# KiCad board ulx4m_panel.kicad_pcb (continued)
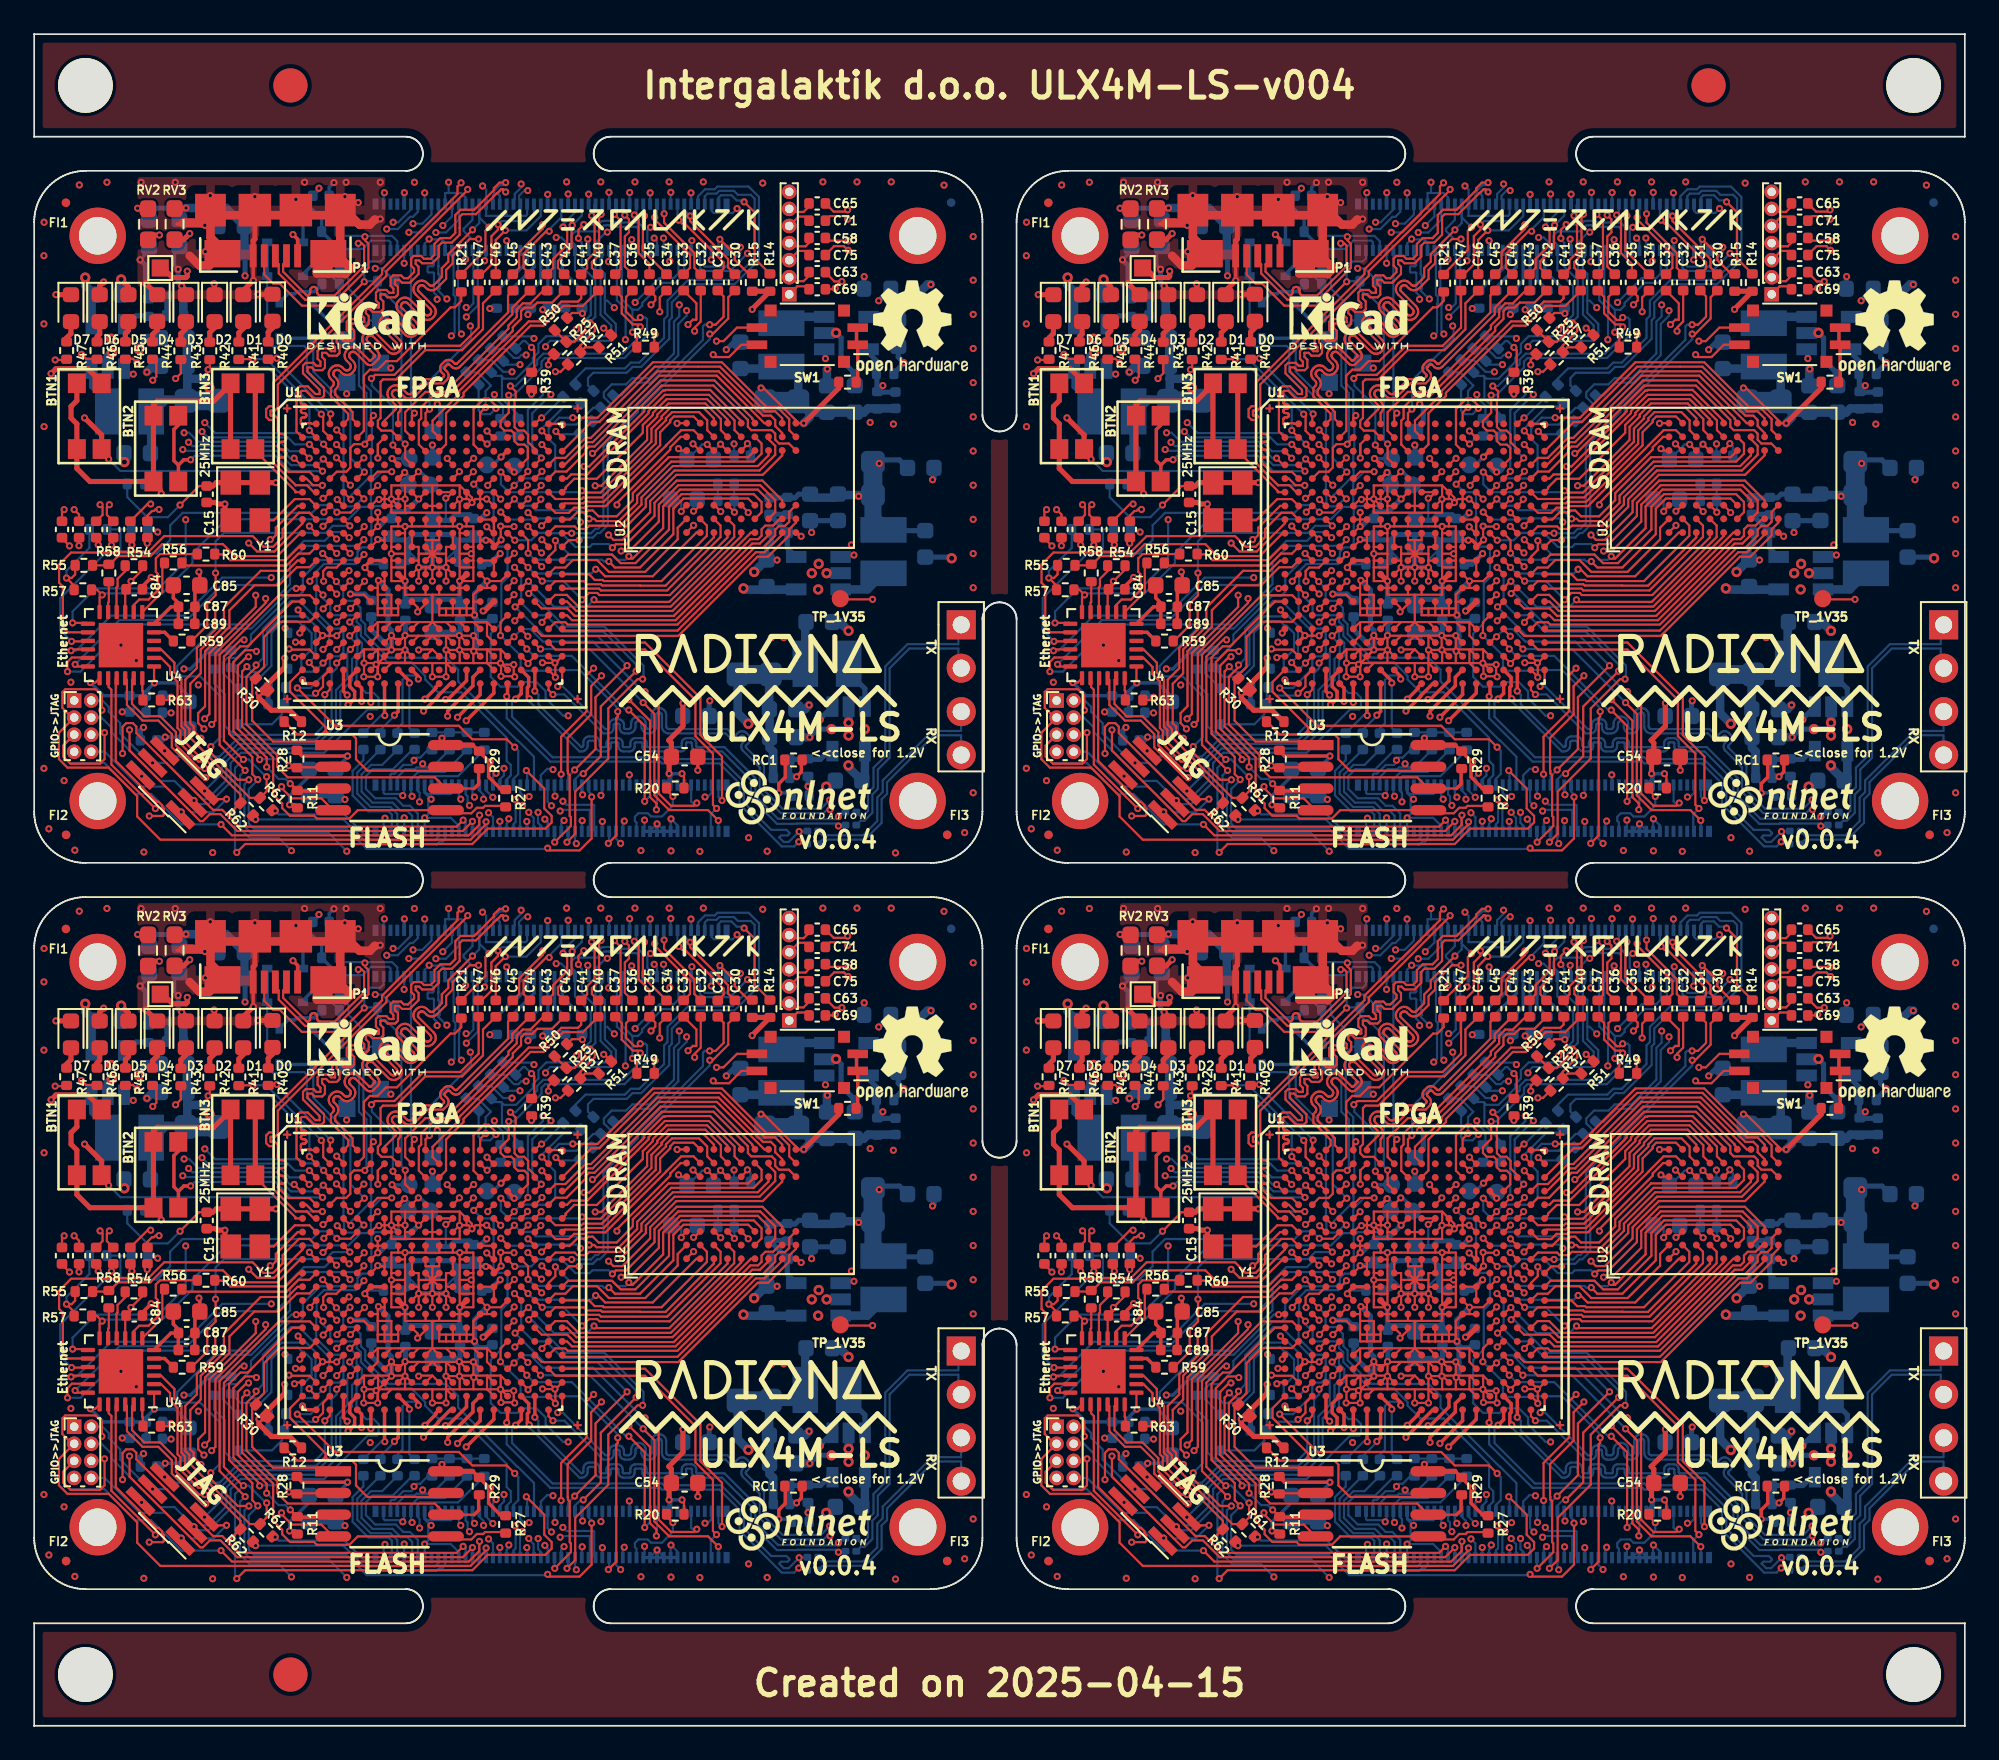
[diagram p0: board, top side]
## Routing (per net, layer and track width the routed paths; a pad name or vN(x,y) marks a point on that pad's centre or on a via; arc(x,y) is an arc through that point) (continued)
Board_1-GP0: length 13.4
  Top w0.127: U1#4.B11 80.83,75.79 80.83,76.38 82.39,77.94 82.39,78.12 86.46,82.19 87.22,82.19 88.37,83.35 89.34,83.35 89.53,83.54 C41#2.1
Board_1-GP3: length 13.3
  Top w0.127: C43#3.1 87.31,84 86.56,83.25 86.12,83.25 85.76,82.89 85.76,82.44 85.27,81.96 85.27,81.77 81.57,78.07 80.42,78.07 79.23,76.88 79.23,75.79 U1#4.B9
Board_1-GP4: length 13.9
  Top w0.127: C45#3.1 85.25,83.72 85.25,82.72 82.27,79.74 82.25,79.72 82.23,79.71 82.2,79.7 82.18,79.7 82.16,79.71 82.13,79.72 82.11,79.74 82.01,79.84 81.95,79.89 81.88,79.92 81.81,79.94 81.73,79.94 81.65,79.92 81.58,79.89 81.52,79.84 81.37,79.69 81.32,79.63 81.29,79.56 81.27,79.48 81.27,79.41 81.29,79.33 81.32,79.26 81.37,79.2 81.48,79.1 81.49,79.08 81.5,79.05 81.51,79.03 81.51,79.01 81.5,78.98 81.49,78.96 81.48,78.94 81.35,78.82 80.45,78.82 79.63,78 79.59,77.97 79.55,77.95 79.5,77.94 79.45,77.94 79.4,77.95 79.35,77.97 79.31,78 78.99,78.32 78.91,78.38 78.82,78.43 78.73,78.45 78.63,78.45 78.53,78.43 78.44,78.38 78.36,78.32 78.32,78.28 78.26,78.2 78.21,78.11 78.19,78.01 78.19,77.91 78.21,77.82 78.26,77.72 78.32,77.65 78.64,77.32 78.67,77.29 78.69,77.24 78.7,77.19 78.7,77.14 78.69,77.09 78.67,77.05 78.64,77.01 78.02,76.39 U1#4.A7
Board_1-GP5: length 14.6
  Top w0.127: U1#4.C8 78.51,74.91 v1(78.51,74.96) ; v1(77.25,78.86) 77.46,79.06 78.6,79.06 80.3,80.77 82.46,80.77 83.53,81.84 C47#3.1
  Bottom w0.127: v1(78.51,74.96) 78.51,77.21 77.28,78.44 77.28,78.92
Board_1-GPIO2: length 19.7
  Top w0.127: v1(89.65,55.72) 90.68,56.75 90.68,59.66 v1(92.75,61.73) ; v1(85.63,67.8) 86.02,67.41 U1#4.M17
  Bottom w0.127: v1(85.63,67.8) 86.02,67.41 86.02,65.73 86.75,65 87.47,65 88.43,64.04 90.83,64.04 92.75,62.12 v1(92.75,61.73) ; J1#4.58 89.17,55.39 89.5,55.72 v1(89.65,55.72)
Board_1-GPIO3: length 16.9
  Top w0.127: v1(92.22,62.05) 90.37,60.2 90.37,57.16 v1(89.15,55.94) ; v1(85.66,65.49) 85.71,65.49 U1#4.P17
  Bottom w0.127: v1(89.15,55.94) 88.77,55.56 J1#4.56 ; v1(85.66,65.49) 87.38,63.77 90.5,63.77 v1(92.22,62.05)
Board_1-GPIO4: length 14.9
  Top w0.127: U1#4.P16 85.22,65.82 v1(85.6,66.2) ; v1(90.26,61.9) 89.86,61.5 89.86,59.39 88.36,57.88 v1(88.36,55.69)
  In2signal.Cu w0.127: v1(85.6,66.2) 85.6,66.12 86.23,65.49 86.99,65.49 88.4,64.08 88.4,63.7 90.2,61.9 v1(90.26,61.9)
  Bottom w0.127: J1#4.54 88.37,55.68 v1(88.36,55.69)
Board_1-GPIO5: length 46.6
  Top w0.127: v1(72.85,66.57) 72.88,66.6 U1#4.N1
  In2signal.Cu w0.127: v1(67.85,57.31) 67.85,56.98 64.95,54.08 64.41,54.08 63.85,53.51 63.85,53.08 64.08,52.85 64.42,52.85 64.6,53.03 65.28,53.03 65.95,52.35 69.17,52.35 69.38,52.57 80.73,52.57 81.58,53.41 83.11,53.41 83.39,53.69 83.77,53.69 83.91,53.84 84.43,53.84 84.76,54.17 84.76,55.54 v1(84.55,55.75)
  Bottom w0.127: J1#4.34 84.37,55.57 v1(84.55,55.75) ; v1(67.85,57.31) 68.41,57.87 68.41,60.24 67.23,61.42 66.16,61.42 65.88,61.7 65.88,62.03 68.07,64.22 70.22,64.22 72.57,66.57 v1(72.85,66.57)
Board_1-GPIO6: length 21.3
  Top w0.127: U1#4.R1 72.96,65.26 v1(72.96,65.31)
  In2signal.Cu w0.127: v1(72.96,65.31) 73.32,64.95 73.32,64.29 74.21,63.4 75.79,63.4 76.85,63.4 78,62.25 78.25,62.25 78.32,62.31 82.01,62.31 82.78,61.54 82.78,60.13 84.14,58.77 84.14,57.07 83.74,56.67 83.74,54.3 v1(83.82,54.23) 83.82,54.32 83.81,54.32
  Bottom w0.127: J1#4.30 83.57,54.74 83.82,54.49 v1(83.82,54.23)
Board_1-GPIO7: length 21.6
  Top w0.127: U1#4.P3 74.43,65.41 v1(74.43,65.37)
  In2signal.Cu w0.127: v1(85.3,53.08) 85.27,53.11 85.27,54.39 85.41,54.54 85.41,56.23 85.2,56.44 85.14,56.44 84.41,57.16 84.41,58.86 83.03,60.24 83.03,61.68 82.14,62.57 78.04,62.57 76.41,64.2 75.79,64.2 74.94,64.2 74.43,64.71 v1(74.43,65.37)
  Bottom w0.127: J1#4.37 85.17,52.8 85.3,52.93 v1(85.3,53.08)
Board_1-GPIO8: length 21.2
  Top w0.127: U1#4.P4 75.24,65.42 v1(75.24,65.4)
  In2signal.Cu w0.127: v1(85.67,54.2) 85.67,54.2 85.67,56.33 85.31,56.69 85.24,56.69 84.67,57.27 84.67,58.96 83.3,60.33 83.3,61.8 82.81,62.29 82.81,63.16 82.6,63.37 77.85,63.37 76.22,65 75.64,65 v1(75.24,65.4)
  Bottom w0.127: J1#4.39 85.57,52.76 85.7,52.89 85.7,54.17 v1(85.67,54.2)
Board_1-GPIO9: length 29.9
  Top w0.127: v1(72.91,60.74) 75.12,58.53 82.37,58.53 83.16,57.74 85.18,57.74 v1(85.64,57.27) ; U1#4.L5 76.46,68.2 v1(76.82,68.55)
  Bottom w0.127: v1(72.91,60.74) 73.69,60.74 74.82,61.87 74.82,62.4 75.01,62.59 75.36,62.59 75.61,62.84 75.61,63.65 75.61,63.65 75.61,63.98 75.37,64.22 74.98,64.22 74.02,65.18 74.02,66.7 74.05,66.73 74.05,67.58 74.47,68 76.34,68 76.82,68.47 v1(76.82,68.55) ; J1#4.40 85.57,55.42 85.85,55.7 85.85,57.07 v1(85.64,57.27)
Board_1-GPIO10: length 63.8
  Top w0.127: v1(69.8,63.56) 69.6,63.56 68.62,62.58 68.62,57.66 69.72,56.56 v1(69.76,56.56) ; v1(69.37,51.12) 69.86,51.61 83.16,51.61 84.06,52.51 87.44,52.51 87.8,52.87 87.8,53.25 87.37,53.69 87.37,54.86 v1(86.32,55.91) ; U4#2.3 64.94,63 65.72,62.22 65.72,61.65 66.13,61.24 66.13,60.54 66.13,58.49 66.34,58.28 66.34,57.57 67.23,56.68 67.76,56.68 70.14,54.31 R61#4.2 71.12,54.7 v3(71.12,55.55) ; U1#4.K4 76,68.62 v1(76,68.62)
  In2signal.Cu w0.127: v1(76,68.62) 75.62,69 74.89,69 74.66,69.23 72.73,69.23 70.05,66.55 70.05,63.81 v1(69.8,63.56)
  Bottom w0.127: v1(69.37,51.12) 69.27,51.22 69.27,56.06 v1(69.76,56.56) 70.07,56.56 71.08,55.55 v3(71.12,55.55) ; v1(86.32,55.91) 86.37,55.86 J1#4.44
Board_1-GPIO11: length 18.8
  Top w0.127: U1#4.N2 74.42,66.2 v1(74.42,66.18)
  Bottom w0.127: v1(74.42,66.18) 74.42,65.99 74.84,65.57 74.84,65.01 74.85,65 76.22,65 76.39,64.83 76.39,64.61 76.64,64.36 76.64,63.79 78.18,62.24 79.6,62.24 80.4,61.44 80.4,61.24 81.15,60.49 82.51,60.49 85.17,57.83 85.17,56.47 85.41,56.23 85.41,55.63 85.17,55.38 J1#4.38
Board_1-GPIO12: length 57.9
  Top w0.127: v3(83.96,52.91) 83.96,52.77 83.05,51.86 64.9,51.86 63.54,53.22 63.54,54.41 61.87,56.08 59.46,56.08 58.96,56.58 58.96,58.12 J6#3.3 59.73,59.01 59.16,59.58 59.16,60.5 59.33,60.67 61.1,60.67 61.47,60.29 v1(61.47,59.44) ; v1(67.45,58.35) 67.11,58.69 67.11,59.27 67.51,59.67 67.51,62.89 68.94,64.32 68.94,65.29 70.4,66.75 71.83,66.75 72.89,67.81 73.63,67.81 U1#4.L2
  In2signal.Cu w0.127: v1(67.45,58.35) 67.24,58.56 64.65,58.56 63.98,57.88 62.91,57.88 61.75,59.05 61.64,59.05 61.64,59.28 v1(61.47,59.44)
  Bottom w0.127: 83.97,52.5 83.97,52.9 v3(83.96,52.91)
Board_1-GPIO13: length 21.1
  Top w0.127: v1(73.06,63.96) 73.06,64.04 U1#4.T1
  In2signal.Cu w0.127: v1(73.06,63.96) 73.06,63.79 74.25,62.6 74.77,62.6 74.82,62.55 74.82,61.61 75.15,61.28 76.18,61.28 76.59,60.87 78.31,60.87 79.5,62.06 81.9,62.06 82.52,61.43 82.52,60.03 83.87,58.68 83.87,57.21 83.28,56.62 v1(83.28,54.35)
  Bottom w0.127: v1(83.28,54.35) 83.17,54.47 J1#4.28
Board_1-GPIO14: length 22
  Top w0.127: v1(86.46,66.27) 86.79,66.6 U1#4.N18 ; v1(93.13,61.26) 92.83,61.26 91.12,59.54 91.12,56.61 89.18,54.67 89.18,52.2 v1(88.7,51.72)
  Bottom w0.127: v1(86.46,66.27) 86.63,66.27 88.57,64.33 90.9,64.33 93.18,62.05 93.18,61.31 v1(93.13,61.26) ; J1#4.55 88.77,51.78 v1(88.7,51.72)
Board_1-GPIO15: length 20.6
  Top w0.127: U1#4.N16 85.22,66.63 v1(85.61,67.02) ; v1(90.72,61.46) 90.12,60.85 90.12,59.19 88.74,57.82 88.74,55.9 88.76,55.88 88.76,55.73 88.86,55.63 88.86,53.25 88.93,53.18 88.93,52.66 v1(87.98,51.72)
  In2signal.Cu w0.127: v1(90.72,61.46) 90.92,61.66 90.92,61.9 88.65,64.17 88.65,64.31 87.22,65.74 86.39,65.74 86.04,66.09 86.04,66.59 v1(85.61,67.02)
  Bottom w0.127: v1(87.98,51.72) 87.97,51.73 J1#4.51
Board_1-GPIO16: length 56.1
  Top w0.127: v1(67.27,57.8) 66.85,58.22 66.85,58.48 66.65,58.68 66.65,60.99 67.26,61.6 67.26,62.99 68.62,64.35 68.62,65.45 70.77,67.6 72.33,67.6 72.93,68.2 U1#4.L1 ; J6#3.5 59.21,57.37 59.21,56.74 59.64,56.31 61.36,56.31 61.63,56.58 v1(61.63,58.13) ; v3(83.58,53.29) 83.56,53.28 83.56,52.73 82.95,52.11 69.09,52.11 v1(68.45,52.75)
  In2signal.Cu w0.127: v1(67.27,57.8) 66.76,58.31 64.76,58.31 64.08,57.63 62.81,57.63 62.19,58.25 61.75,58.25 v1(61.63,58.13)
  Bottom w0.127: J6#3.5 59.23,57.39 59.23,56.71 59.6,56.35 61.63,56.35 63.44,54.54 64.35,54.54 66.14,52.75 v1(68.45,52.75) ; 83.57,52.5 83.56,52.5 83.56,53.28 v3(83.58,53.29)
Board_1-GPIO17: length 67.2
  Top w0.127: v1(74.42,70.21) 74.43,70.21 U1#4.H3
  In2signal.Cu w0.127: v1(87.79,53.85) 87.84,53.8 87.84,52.96 86.68,51.81 69.7,51.81 69.4,51.51 64.15,51.51 64.12,51.54 60.19,51.54 58.55,53.18 58.55,56.16 58.38,56.33 58.38,70.25 58.91,70.78 65.86,70.78 66.13,71.05 73.58,71.05 v1(74.42,70.21)
  Bottom w0.127: v1(87.79,53.85) 87.57,54.07 J1#4.50
Board_1-GPIO18: length 25.4
  Top w0.127: v1(76.85,66.99) 76.46,66.6 U1#4.N5
  In2signal.Cu w0.127: v1(76.85,66.99) 77.86,65.98 83.99,65.98 84.45,65.52 84.45,64.04 84.41,64 84.41,63.61 84.41,63.61 84.41,60.82 84.49,60.74 86.22,60.74 86.64,61.16 86.8,61.16 87.22,60.74 87.22,59.32 87.23,59.31 87.23,55.24 87.39,55.08 87.39,53.6 87.58,53.41 87.58,53.24 v1(87.4,53.06)
  Bottom w0.127: v1(87.4,53.06) 87.57,52.9 J1#4.49
Board_1-GPIO19: length 21.9
  Top w0.127: U1#4.U1 72.83,63.4 v1(72.81,63.42)
  In2signal.Cu w0.127: v1(82.99,53.87) 82.88,53.97 82.88,56.59 83.62,57.33 83.62,58.57 82.27,59.92 82.27,61.33 81.8,61.8 79.6,61.8 78.41,60.61 76.48,60.61 76.09,61 74.62,61 74.01,61.61 74.01,62.44 73.03,63.42 v1(72.81,63.42)
  Bottom w0.127: v1(82.99,53.87) 82.88,53.97 82.88,54.4 82.77,54.52 J1#4.26
Board_1-GPIO20: length 48.1
  Top w0.127: v1(74.4,68.61) 74.41,68.61 U1#4.L3 ; v1(70.48,66.17) 70.48,65.49 67.77,62.77 67.77,59.21 v1(67.49,58.94) ; v1(63.09,58.28) 63.09,57.08 67.23,52.94 67.39,52.94 67.79,53.35 68.41,53.35 69.4,52.37 82.6,52.37 v3(83.16,52.93)
  In2signal.Cu w0.127: v1(70.48,66.17) 71.1,66.79 71.51,66.79 72.66,67.94 73.73,67.94 v1(74.4,68.61) ; v1(67.49,58.94) 67.39,58.83 63.64,58.83 v1(63.09,58.28) 63.09,59.56 61.99,60.66 60.5,60.66 J6#3.1
  Bottom w0.127: v3(83.16,52.93) 83.17,52.93 83.17,52.5
Board_1-GPIO21: length 62.3
  Top w0.127: v1(71.06,65.98) 71.06,65.72 68.12,62.78 68.12,58.83 v1(67.9,58.61) ; 68.85,53.28 69.5,52.62 82.24,52.62 v3(82.62,53) ; 68.85,53.28 69.57,54.01 R62.2 69.59,54.5 67.66,56.43 67.12,56.43 66.07,57.48 66.07,58.23 65.9,58.4 65.9,61.11 65.47,61.54 65.47,61.97 64.94,62.5 U4#2.2 ; 68.85,53.28 68.52,53.61 67.98,53.61 63.49,58.09 63.49,58.48 63.28,58.68 62.9,58.68 62.68,58.47 v1(62.68,56.91) ; U1#4.L4 75.21,67.79 74.63,67.79 74.43,67.58 74.43,67.01 v1(74.45,66.99)
  In2signal.Cu w0.127: v1(67.9,58.61) 67.9,57.89 66.47,56.46 65.03,56.46 64.58,56.91 v1(62.68,56.91) 62.3,56.91 61.78,56.39 60.47,56.39 J6#3.7 ; v1(74.45,66.99) 74.44,66.99 73.99,67.44 72.52,67.44 v1(71.06,65.98)
  Bottom w0.127: v3(82.62,53) 82.77,52.86 J1#4.25
Board_1-GPIO22: length 19.6
  Top w0.127: v1(75.2,66.97) 74.82,67.35 U1#4.M3
  Bottom w0.127: J1#4.46 86.77,56.71 85.82,57.66 85.79,57.66 82.33,61.12 82.33,61.81 81.63,62.51 78.44,62.51 78.43,62.52 78.27,62.52 76.89,63.9 76.89,64.47 76.64,64.72 76.64,65.1 76.61,65.13 76.61,65.44 76.21,65.84 75.66,65.84 75.6,65.9 75.6,66.56 75.2,66.96 v1(75.2,66.97)
Board_1-GPIO23: length 23.9
  Top w0.127: v1(76,67) 75.62,66.62 U1#4.N4
  In2signal.Cu w0.127: v1(76,67) 77.28,65.72 83.89,65.72 84.19,65.42 84.19,64.14 84.15,64.1 84.15,63.51 84.15,63.51 84.15,60.62 84.75,60.03 84.77,60.03 86.97,57.82 86.97,55.13 87.14,54.97 87.14,53.59 v1(87.01,53.46)
  Bottom w0.127: v1(87.01,53.46) 87,53.46 87,52.85 87.17,52.68 J1#4.47
Board_1-GPIO24: length 23.4
  Top w0.127: U1#4.N3 74.86,66.6 v1(75.22,66.24)
  In2signal.Cu w0.127: v1(75.22,66.24) 75.65,65.81 76.26,65.81 77.53,64.54 83.41,64.54 83.9,64.05 83.9,63.4 83.9,63.4 83.9,60.45 86.72,57.63 86.72,55.03 86.88,54.86 86.88,53.93 86.46,53.51 v1(86.46,53.46)
  Bottom w0.127: v1(86.46,53.46) 86.46,53.42 86.75,53.13 86.75,52.36 J1#4.45
Board_1-GPIO25: length 21.5
  Top w0.127: U1#4.P5 76.03,65.4 v1(76.03,65.4)
  In2signal.Cu w0.127: v1(86.1,53.87) 86.08,53.89 86.08,55.51 85.92,55.67 85.92,56.44 85.41,56.94 85.35,56.94 84.92,57.37 84.92,59.07 83.65,60.34 83.65,63.3 83.64,63.3 83.64,63.94 83.36,64.23 77.48,64.23 76.31,65.4 v1(76.03,65.4)
  Bottom w0.127: J1#4.41 85.95,52.36 85.95,53.72 v1(86.1,53.87)
Board_1-GPIO26: length 17.3
  Top w0.127: v1(72.75,62.52) 72.82,62.6 U1#4.V1
  In2signal.Cu w0.127: v1(72.75,62.52) 74.51,60.75 75.99,60.75 76.38,60.36 78.79,60.36 78.9,60.47 78.91,60.47 78.95,60.51 80.61,60.51 80.8,60.32 80.8,55.91 v1(82.48,54.23)
  Bottom w0.127: v1(82.48,54.23) 82.37,54.34 J1#4.24
Board_1-GPIO27: length 31.5
  Top w0.127: v1(85.65,64.67) 85.97,65 U1#4.R17
  In2signal.Cu w0.127: v1(87.88,55.97) 87.88,55.36 87.93,55.32 88.17,55.32 89,54.49 89,52.69 90.44,51.25 92.34,51.25 92.97,51.88 94.93,51.88 95.43,52.38 95.43,54.54 95.07,54.9 94.74,54.9 94.06,55.58 94.06,56.89 92.72,58.23 92.72,60.28 92.42,60.58 90.71,60.58 87.57,63.72 87.42,63.72 86.47,64.67 v1(85.65,64.67)
  Bottom w0.127: J1#4.48 87.17,55.63 87.54,56.01 87.84,56.01 v1(87.88,55.97)
Board_1-HDMI0_CEC: length 2.5
  Bottom w0.2: R8#2.2 87.97,84.61 87.97,86.2
Board_1-HDMI0_CLK_N: length 5.3
  Top w0.127: v1(95.91,88.36) 95.91,88.06 98.13,85.84 98.13,85.36 C30#2.2
  Bottom w0.127: v1(95.91,88.36) 95.57,88.7 J2#3.90
Board_1-HDMI0_CLK_P: length 5.5
  Top w0.127: C31#4.2 97.87,85.3 97.87,85.65 95.61,87.91 95.45,87.91 v1(95.24,88.12)
  Bottom w0.127: J2#3.88 95.17,88.19 v1(95.24,88.12)
Board_1-HDMI0_HOTPLUG: length 2.9
  Bottom w0.2: 88.37,86.2 88.37,85.67 88.43,85.6 88.43,84.88 88.7,84.88 R9#4.2
Board_1-HDMI0_SCL: length 6.9
  Top w0.127: v1(99.07,89.19) 99.68,88.58 99.68,85.88 R14#4.2
  Bottom w0.127: v1(99.07,89.19) 98.99,89.27 98.64,89.27 98.33,89.58 97.72,89.58 97.57,89.43 J2#3.100
Board_1-HDMI0_SDA: length 3.6
  Top w0.127: R15.2 99.34,84.98 98.53,85.78 98.53,86.12 v1(97.65,87)
  Bottom w0.127: v1(97.65,87) 97.57,86.91 J2#3.99
Board_1-HDMI0_TX0_N: length 5
  Top w0.127: v1(94.39,88.49) 94.39,87.97 96.16,86.2 96.16,85.33 C32#3.2
  Bottom w0.127: J2#3.84 94.37,88.51 v1(94.39,88.49)
Board_1-HDMI0_TX0_P: length 5.2
  Top w0.127: C33.2 95.9,85.33 95.9,86.1 93.84,88.16 v1(93.84,88.28)
  Bottom w0.127: v1(93.84,88.28) 93.97,88.41 J2#3.82
Board_1-HDMI0_TX1_N: length 5.1
  Top w0.127: C34#4.2 93.15,86.34 93.15,88.28 v1(93.24,88.37) 93.24,88.36 93.24,88.04
  Bottom w0.127: v1(93.24,88.37) 93.17,88.44 J2#3.78
Board_1-HDMI0_TX1_P: length 4.5
  Top w0.127: v1(92.64,88.42) 92.89,88.17 92.89,86.19 93.53,85.56 C35#4.2
  Bottom w0.127: J2#3.76 92.77,88.55 v1(92.64,88.42)
Board_1-HDMI0_TX2_N: length 4.5
  Top w0.127: C36#2.2 92.09,85.4 92.09,87.17 92.33,87.41 92.33,88.17 v1(92.09,88.41)
  Bottom w0.127: J2#3.72 91.97,88.53 v1(92.09,88.41)
Board_1-HDMI0_TX2_P: length 4.4
  Top w0.127: C37#2.2 91.83,85.26 91.83,88.09 v1(91.48,88.45)
  Bottom w0.127: J2#3.70 91.57,88.54 v1(91.48,88.45)
Board_1-HDMI1_CEC: length 2.2
  Bottom w0.2: R16#2.2 87.58,84.71 87.57,84.73 87.57,86.2
Board_1-HDMI1_CLK_N: length 4.5
  Top w0.127: v1(90.7,88.47) 90.58,88.35 90.58,86.09 90.16,85.67 90.16,85.33 C40#3.2
  Bottom w0.127: v1(90.7,88.47) 90.77,88.54 J2#3.66
Board_1-HDMI1_CLK_P: length 4.6
  Top w0.127: 90.2,88.18 90.32,88.06 90.32,86.22 89.88,85.79 89.88,85.31 C41#2.2
  Top w0.2: 90.2,88.18 90.14,88.24 v1(90.14,88.38)
  Bottom w0.127: J2#3.64 90.29,88.98 90.29,88.53 v1(90.14,88.38)
Board_1-HDMI1_HOTPLUG: length 3
  Bottom w0.2: R17#3.2 85.42,84.82 85.52,84.82 86.37,85.67 86.37,86.2
Board_1-HDMI1_SCL: length 2.5
  Bottom w0.2: R10#3.2 86.58,83.99 87.17,84.58 87.17,86.2
Board_1-HDMI1_SDA: length 2.7
  Bottom w0.2: 86.77,86.2 86.77,85.36 85.58,84.17 R13#4.2
Board_1-HDMI1_TX0_N: length 4.8
  Top w0.127: v1(89.01,87.82) 88.97,87.78 88.97,86.52 88.17,85.72 88.17,85.32 C42#3.2
  Bottom w0.127: J2#3.60 89.57,88.38 v1(89.01,87.82)
Board_1-HDMI1_TX0_P: length 5
  Top w0.127: C43#3.2 87.89,85.32 87.89,85.85 88.71,86.67 88.71,87.47 v1(88.47,87.71)
  Bottom w0.127: v1(88.47,87.71) 88.47,87.87 89.17,88.57 J2#3.58
Board_1-HDMI1_TX1_N: length 5.3
  Top w0.127: C44.2 86.16,85.33 86.16,86.15 87.48,87.47 v1(87.66,87.47)
  Bottom w0.127: J2#3.54 88.37,88.28 87.66,87.58 v1(87.66,87.47)
Board_1-HDMI1_TX1_P: length 5.1
  Top w0.127: v1(87.27,87.85) 87.27,87.62 85.9,86.25 85.9,85.33 C45#3.2
  Bottom w0.127: v1(87.27,87.85) 87.97,88.55 J2#3.52
Board_1-HDMI1_TX2_N: length 5.9
  Top w0.127: v1(85.09,87.52) 84.53,86.96 C46#4.2
  Bottom w0.127: v1(85.09,87.52) 86.33,87.52 87.17,88.36 J2#3.48
Board_1-HDMI1_TX2_P: length 6.5
  Top w0.127: C47#3.2 83.71,84.96 84.28,85.52 84.28,87.17 84.66,87.56 v1(84.66,87.86)
  Bottom w0.127: v1(84.66,87.86) 84.87,88.07 86.45,88.07 86.77,88.38 J2#3.46
Board_1-ID_SC: length 62.4
  Top w0.127: v1(75.21,69.46) 74.87,69.8 U1#4.J3
  In2signal.Cu w0.127: v1(84.77,52.94) 84.77,52.79 84.04,52.06 69.59,52.06 69.32,51.79 60.3,51.79 58.8,53.28 58.8,56.26 58.63,56.43 58.63,70.15 59.01,70.52 65.71,70.52 66.13,70.11 72.76,70.11 73.33,69.54 75.13,69.54 v1(75.21,69.46)
  Bottom w0.127: v1(84.77,52.94) 84.77,52.93 J1#4.35
Board_1-ID_SD: length 63.1
  Top w0.127: U1#4.H1 73.22,70.38 71.57,68.73 70.56,68.73 v1(70.07,69.22)
  In2signal.Cu w0.127: 70.11,69.31 69.61,69.81 65.56,69.81 65.1,70.27 59.12,70.27 58.89,70.04 58.89,56.54 59.29,56.14 62.58,56.14 63.44,55.28 63.44,53.13 63.97,52.59 64.52,52.59 64.7,52.77 65.17,52.77 65.85,52.1 69.27,52.1 69.49,52.31 83.94,52.31 84.37,52.75 84.37,53.13 85.01,53.77 85.01,56.04 v1(85.01,56.04)
  Bottom w0.127: J1#4.36 84.77,55.38 85.01,55.63 v1(85.01,56.04)
Board_1-JTAG_TCK: length 26.5
  Top w0.127: U1#4.T5 76.02,63.8 v1(75.98,63.8)
  Bottom w0.127: v1(75.98,63.8) 75.98,63.73 76.43,63.28 76.43,62.75 76.12,62.44 76.12,61.2 75.43,60.51 75.43,59.95 75.43,59.94 75.43,58.37 74.25,57.2 69.51,57.2 68.76,56.44 68.76,55.34 67.65,54.24 67.38,54.24 65.27,56.35 v1(64.44,56.35) 64.28,56.35 62.55,58.08 62.55,58.67 61.87,59.35 61.87,59.63 61.51,60 60.86,60 J6#3.2
Board_1-JTAG_TDI: length 28.9
  Top w0.127: v1(75.99,64.6) 76.02,64.6 U1#4.R5
  Bottom w0.127: v1(75.99,64.6) 76.38,64.2 76.38,63.69 76.69,63.38 76.69,62.65 76.38,62.34 76.38,61.01 76.94,60.45 77.39,60.45 77.67,60.17 77.67,59.59 77.57,59.49 77.03,59.49 74.49,56.95 69.61,56.95 69.01,56.35 69.01,55.23 67.73,53.94 67.08,53.94 v1(66.87,54.15) 65.73,55.3 64.89,55.3 62.03,58.16 62.03,58.43 61.45,59.01 J6#3.4
Board_1-JTAG_TDO: length 19.6
  Top w0.127: v1(75.22,62.2) U1#4.V4
  In2signal.Cu w0.127: J6#3.6 61.13,57.73 61.96,57.73 62.31,57.38 64.83,57.38 v1(65.15,57.06)
  Bottom w0.127: v1(65.15,57.06) 65.48,56.73 68.36,56.73 69.35,57.72 74.01,57.72 74.93,58.63 74.93,61.61 75.22,61.9 v1(75.22,62.2)
Board_1-JTAG_TMS: length 26.3
  Top w0.127: U1#4.U5 v1(76.02,63) ; v1(68.77,54.24) 67.95,54.24 v1(67.48,54.71)
  Bottom w0.127: v1(67.48,54.71) 68.5,55.74 68.5,56.54 69.43,57.47 74.11,57.47 75.17,58.53 75.17,60.05 75.18,60.05 75.18,60.62 75.84,61.28 75.84,62.82 v1(76.02,63) ; J6#3.8 61.64,57.01 63.68,54.97 65.21,54.97 66.71,53.47 68,53.47 v1(68.77,54.24)
Board_1-LED0: length 5.7
  Top w0.127: v1(71.72,80.04) 71.69,80.01 71.21,80.01 ; U1#4.A3 74.82,76.73 v1(74.87,76.78)
  Bottom w0.127: v1(74.87,76.78) 71.72,79.93 v1(71.72,80.04)
Board_1-LED1: length 7.7
  Top w0.127: v1(74.32,76.76) 74.43,76.65 74.43,75.79 U1#4.B3 ; v1(70.32,79.99) 69.5,79.99
  Bottom w0.127: v1(74.32,76.76) 71.09,79.99 v1(70.32,79.99)
Board_1-LED2: length 9.5
  Top w0.127: v1(67.69,79.37) 67.79,79.47 67.79,79.99 ; v1(73.62,75.82) 73.62,75.8 U1#4.B2
  Bottom w0.127: v1(67.69,79.37) 67.81,79.49 71.21,79.49 73.62,77.08 v1(73.62,75.82)
Board_1-LED3: length 12.6
  Top w0.127: U1#4.C3 74.45,74.96 v1(74.45,75.01) ; 66.1,79.99 66.1,79.15 v1(65.79,78.85)
  In2signal.Cu w0.127: v1(67.5,76.27) 67.42,76.27 65.79,77.9 v1(65.79,78.85)
  Bottom w0.127: v1(74.45,75.01) 74.04,75.42 73.3,75.42 73.06,75.66 68.11,75.66 v1(67.5,76.27)
Board_1-LED4: length 12.8
  Top w0.127: U1#4.C2 v1(73.62,75) ; v1(64.45,78.75) 64.66,78.96 64.66,79.78 64.44,80.01
  In2signal.Cu w0.127: v1(67.33,75.75) 64.45,78.63 v1(64.45,78.75)
  Bottom w0.127: v1(67.33,75.75) 67.68,75.4 72.36,75.4 72.77,75 v1(73.62,75)
Board_1-LED5: length 14.5
  Top w0.127: v1(63.53,79.77) 63.29,80.01 62.85,80.01 ; v1(73.61,74.19) 73.22,74.58 U1#4.C1
  In2signal.Cu w0.127: v1(63.53,79.77) 63.71,79.59 63.71,78.25 v1(66.29,75.67)
  Bottom w0.127: v1(73.61,74.19) 73.2,74.6 72.45,74.6 71.9,75.15 67.11,75.15 66.58,75.67 v1(66.29,75.67)
Board_1-LED6: length 16.6
  Top w0.127: U1#4.D1 73.12,73.8 v1(72.73,74.19) ; v1(60.28,80.27) 60.54,80.01 61.19,80.01
  In2signal.Cu w0.127: v1(66.55,75.12) 66.25,75.12 62.73,78.64 62.2,78.64 60.58,80.27 v1(60.28,80.27)
  Bottom w0.127: v1(66.55,75.12) 66.77,74.89 71.78,74.89 72.49,74.19 v1(72.73,74.19)
Board_1-LED7: length 19.6
  Top w0.127: v1(74.43,74.14) 74.78,73.8 U1#4.D3 ; v1(58.74,79.94) 59.34,79.94 59.41,80.01
  In2signal.Cu w0.127: v1(58.74,79.94) 58.91,79.77 60.64,79.77 62.02,78.39 62.51,78.39 63.33,77.56 63.34,77.56 v1(66.21,74.69)
  Bottom w0.127: v1(74.43,74.14) 74.07,73.78 72.54,73.78 71.7,74.62 66.28,74.62 v1(66.21,74.69)
Board_1-Net-(BTN1-Pad1): length 25.6
  Top w0.127: BTN2#2.1 64.95,72.37 v3(64.95,72.11)
  Top w0.3: BTN1#3.1 60.01,77.56 59.67,77.22 59.67,76.54 60.01,76.2 BTN1#3.1 60.01,73.59 60.77,72.82 BTN2#2.1 BTN2#2.1 64.5,77.3 64.72,77.53 68.02,77.53 69.01,78.51 BTN3#4.1 BTN3#4.1
  Bottom w0.127: v3(64.95,72.11) 64.38,72.68 R18#4.1
Board_1-Net-(R70-Pad2): length 3.2
  Top w0.2: 105.65,81.82 105.65,80.82 ; R70#3.2 105.72,78.73 SW1#3.1
Board_1-Net-(RC1-Pad1): length 2.9
  Top w0.2: v1(101.1,54.6) 101.1,55.14 101.48,55.52 101.48,56.53
  Bottom w0.2: 101.89,54.45 101.74,54.6 v1(101.1,54.6)
Board_1-Net-(U1A-PT13B): length 1.5
  Top w0.2: v1(78.46,74.17) 78.82,73.81 U1#4.D8
  Bottom w0.2: TP_D8.1 78.47,74.16 v1(78.46,74.17)
Board_1-Net-(U1A-PT20B): length 1.7
  Top w0.127: U1#4.E9 79.62,73.02 v1(80,73.4)
  Bottom w0.2: TP_E9.1 80.68,72.83 80.11,73.4 v1(80,73.4)
Board_1-Net-(U1B-GR_PCLK1_0): length 11.6
  Top w0.127: U1#4.D12 81.69,74.13 v1(81.69,74.17)
  In2signal.Cu w0.127: v1(86.31,80.23) 84.98,80.23 82.77,78.02 82.77,77.26 82.13,76.62 82.13,74.61 v1(81.69,74.17)
  Bottom w0.127: v1(86.31,80.23) 86.03,80.23 85.86,80.05 85.59,80.05 85.05,80.6 R26#3.2
Board_1-Net-(U1B-GR_PCLK1_1): length 10.3
  Top w0.127: v1(82.4,73.4) 82.4,73.38 U1#4.E12
  In2signal.Cu w0.127: v1(82.4,73.4) 82.4,76.53 83.03,77.16 83.03,77.89 85.14,80 85.62,80 v1(85.95,79.66)
  Bottom w0.127: v1(85.95,79.66) 85.19,79.66 R38.1
Board_1-Net-(U1B-PT80A): length 9.8
  Top w0.127: R25#2.2 87.61,79.95 v1(87.61,79.65) ; U1#4.D13 83.2,74.18 v1(83.24,74.18)
  In2signal.Cu w0.127: v1(87.61,79.65) 87.34,79.65 85.77,78.08 85.77,77.41 84.83,76.48 83.66,76.48 82.8,75.62 82.8,74.85 83.24,74.41 v1(83.24,74.18)
Board_1-Net-(U1B-PT80B): length 10.9
  Top w0.127: v1(88.02,79.25) 88.33,79.25 R37#4.1 ; U1#4.E13 v1(83.22,73.4)
  In2signal.Cu w0.127: v1(83.22,73.4) 83.64,73.82 83.64,74.36 83.06,74.94 83.06,75.52 83.77,76.23 84.94,76.23 86.02,77.31 86.02,77.97 87.3,79.25 v1(88.02,79.25)
Board_1-Net-(U1B-PT83A): length 4.3
  Top w0.127: U1#4.A14 83.62,76.85 v1(83.94,77.16)
  Bottom w0.127: R24#4.2 83.48,79.2 84.25,78.44 83.94,78.12 v1(83.94,77.16)
Board_1-Net-(U1B-PT83B): length 7.3
  Top w0.127: v1(84.54,77.1) 84.54,77.25 84.11,77.67 83.85,77.67 83.23,77.06 83.23,74.99 U1#4.C14
  Bottom w0.127: R36#3.1 83.53,76.98 83.75,76.76 84.2,76.76 v1(84.54,77.1)
Board_1-Net-(U1B-PT112A): length 1.5
  Top w0.2: v1(84.84,74.26) 85.18,74.6 U1#4.C16
  Bottom w0.2: TP_C16.1 84.38,73.8 v1(84.84,74.26)
Board_1-Net-(U1B-PT112B): length 0.9
  Top w0.2: v1(85.61,73.38) 85.22,73.77 U1#4.D16
  Bottom w0.2: TP_D16.1 85.62,73.39 v1(85.61,73.38)
Board_1-Net-(U1B-PT119A): length 2.3
  Top w0.127: v1(87.21,76.55) 87.17,76.55 U1#4.A18
  Bottom w0.127: R23#2.2 87.25,76.55 v1(87.21,76.55)
Board_1-Net-(U1B-PT119B): length 3.6
  Top w0.127: U1#4.B19 v1(87.23,75.79)
  Bottom w0.127: v1(87.23,75.79) 87.23,75.92 88.53,77.21 89.34,77.21 R35.1
Board_1-Net-(U1B-PT121A): length 3.5
  Top w0.127: v1(88.43,76.16) 88.39,76.2 U1#4.A19
  Bottom w0.127: R22#3.2 90.24,77.14 89.26,76.16 v1(88.43,76.16)
Board_1-Net-(U1B-PT121B): length 2
  Top w0.127: v1(88.05,75.76) 88.06,75.76 U1#4.B20
  Bottom w0.127: v1(88.05,75.76) 88.22,75.59 89.41,75.59 R34.1
Board_1-nEXTRST: length 16.9
  Top w0.127: v1(97.77,54.16) 97.77,56.72 96.51,57.99 96.51,60.16 93.27,63.4 U1#4.U20
  Bottom w0.127: v1(97.77,54.16) 97.57,54.36 J1#4.100
Board_1-PCIe_CLK_N: length 35.9
  Top w0.127: C66#4.2 59.14,71.05 v1(59.26,71.18)
  In2signal.Cu w0.127: v1(78.15,87.6) 78.34,87.41 78.34,85.94 78.16,85.77 78.16,85.64 78.34,85.47 78.34,84.7 75.22,81.58 74.8,81.58 74.57,81.8 73.94,81.8 73.79,81.65 73.79,81.02 74.01,80.79 74.01,80.71 72.88,79.58 72.81,79.58 72.64,79.74 72.35,79.74 72.1,79.49 72.1,79.2 72.6,78.71 72.6,78.6 72.49,78.5 72.42,78.5 71.91,79.01 71.62,79.01 71.33,78.72 71.33,78.03 69.56,76.25 69.56,76.02 69.72,75.86 69.72,75.84 69.56,75.68 69.54,75.68 69.38,75.84 69.15,75.84 66.77,73.47 60.53,73.47 60.29,73.23 60.08,73.23 60.04,73.27 59.83,73.27 59.83,73.06 59.87,73.02 59.87,72.81 59.42,72.36 59.42,71.45 59.26,71.28
  Bottom w0.127: v1(78.15,87.6) 78.8,87.6 79.51,88.31 79.68,88.31 79.97,88.6 J2#3.12
Board_1-PCIe_CLK_nREQ: length 19.2
  Top w0.127: v1(80.65,77.06) 80.42,76.83 U1#4.A10
  In2signal.Cu w0.127: v1(78.01,89.73) 78.75,88.99 81.31,88.99 82.21,88.09 82.21,84.32 83.31,83.22 83.31,82.2 v1(83.04,81.93)
  Bottom w0.127: v1(80.65,77.06) 80.66,77.07 80.66,78.74 83.09,81.17 83.09,81.88 v1(83.04,81.93) ; J2#3.2 77.97,89.68 v1(78.01,89.73)
Board_1-PCIe_CLK_P: length 35.3
  Top w0.127: v1(59.85,71.18) 60.14,70.89 C59#3.1
  In2signal.Cu w0.127: v1(59.85,71.18) 59.7,71.33 59.7,72.28 60.64,73.22 66.88,73.22 69.25,75.59 69.27,75.59 69.44,75.42 69.67,75.42 69.98,75.73 69.98,75.96 69.81,76.13 69.81,76.15 71.79,78.12 71.79,78.41 71.62,78.57 71.62,78.65 71.73,78.75 71.8,78.75 72.31,78.24 72.6,78.24 72.85,78.5 72.85,78.82 72.58,79.09 72.57,79.09 72.36,79.31 72.36,79.38 72.46,79.49 72.54,79.49 72.7,79.32 72.99,79.32 74.27,80.6 74.27,80.9 74.04,81.12 74.04,81.55 74.46,81.55 74.69,81.32 75.32,81.32 78.59,84.59 78.59,86.23 78.84,86.48 78.84,86.53 78.59,86.78 78.59,87.93 v1(78.53,88)